# Allegro board BRD_05101_01_rev_b01_aa.brd (continued)
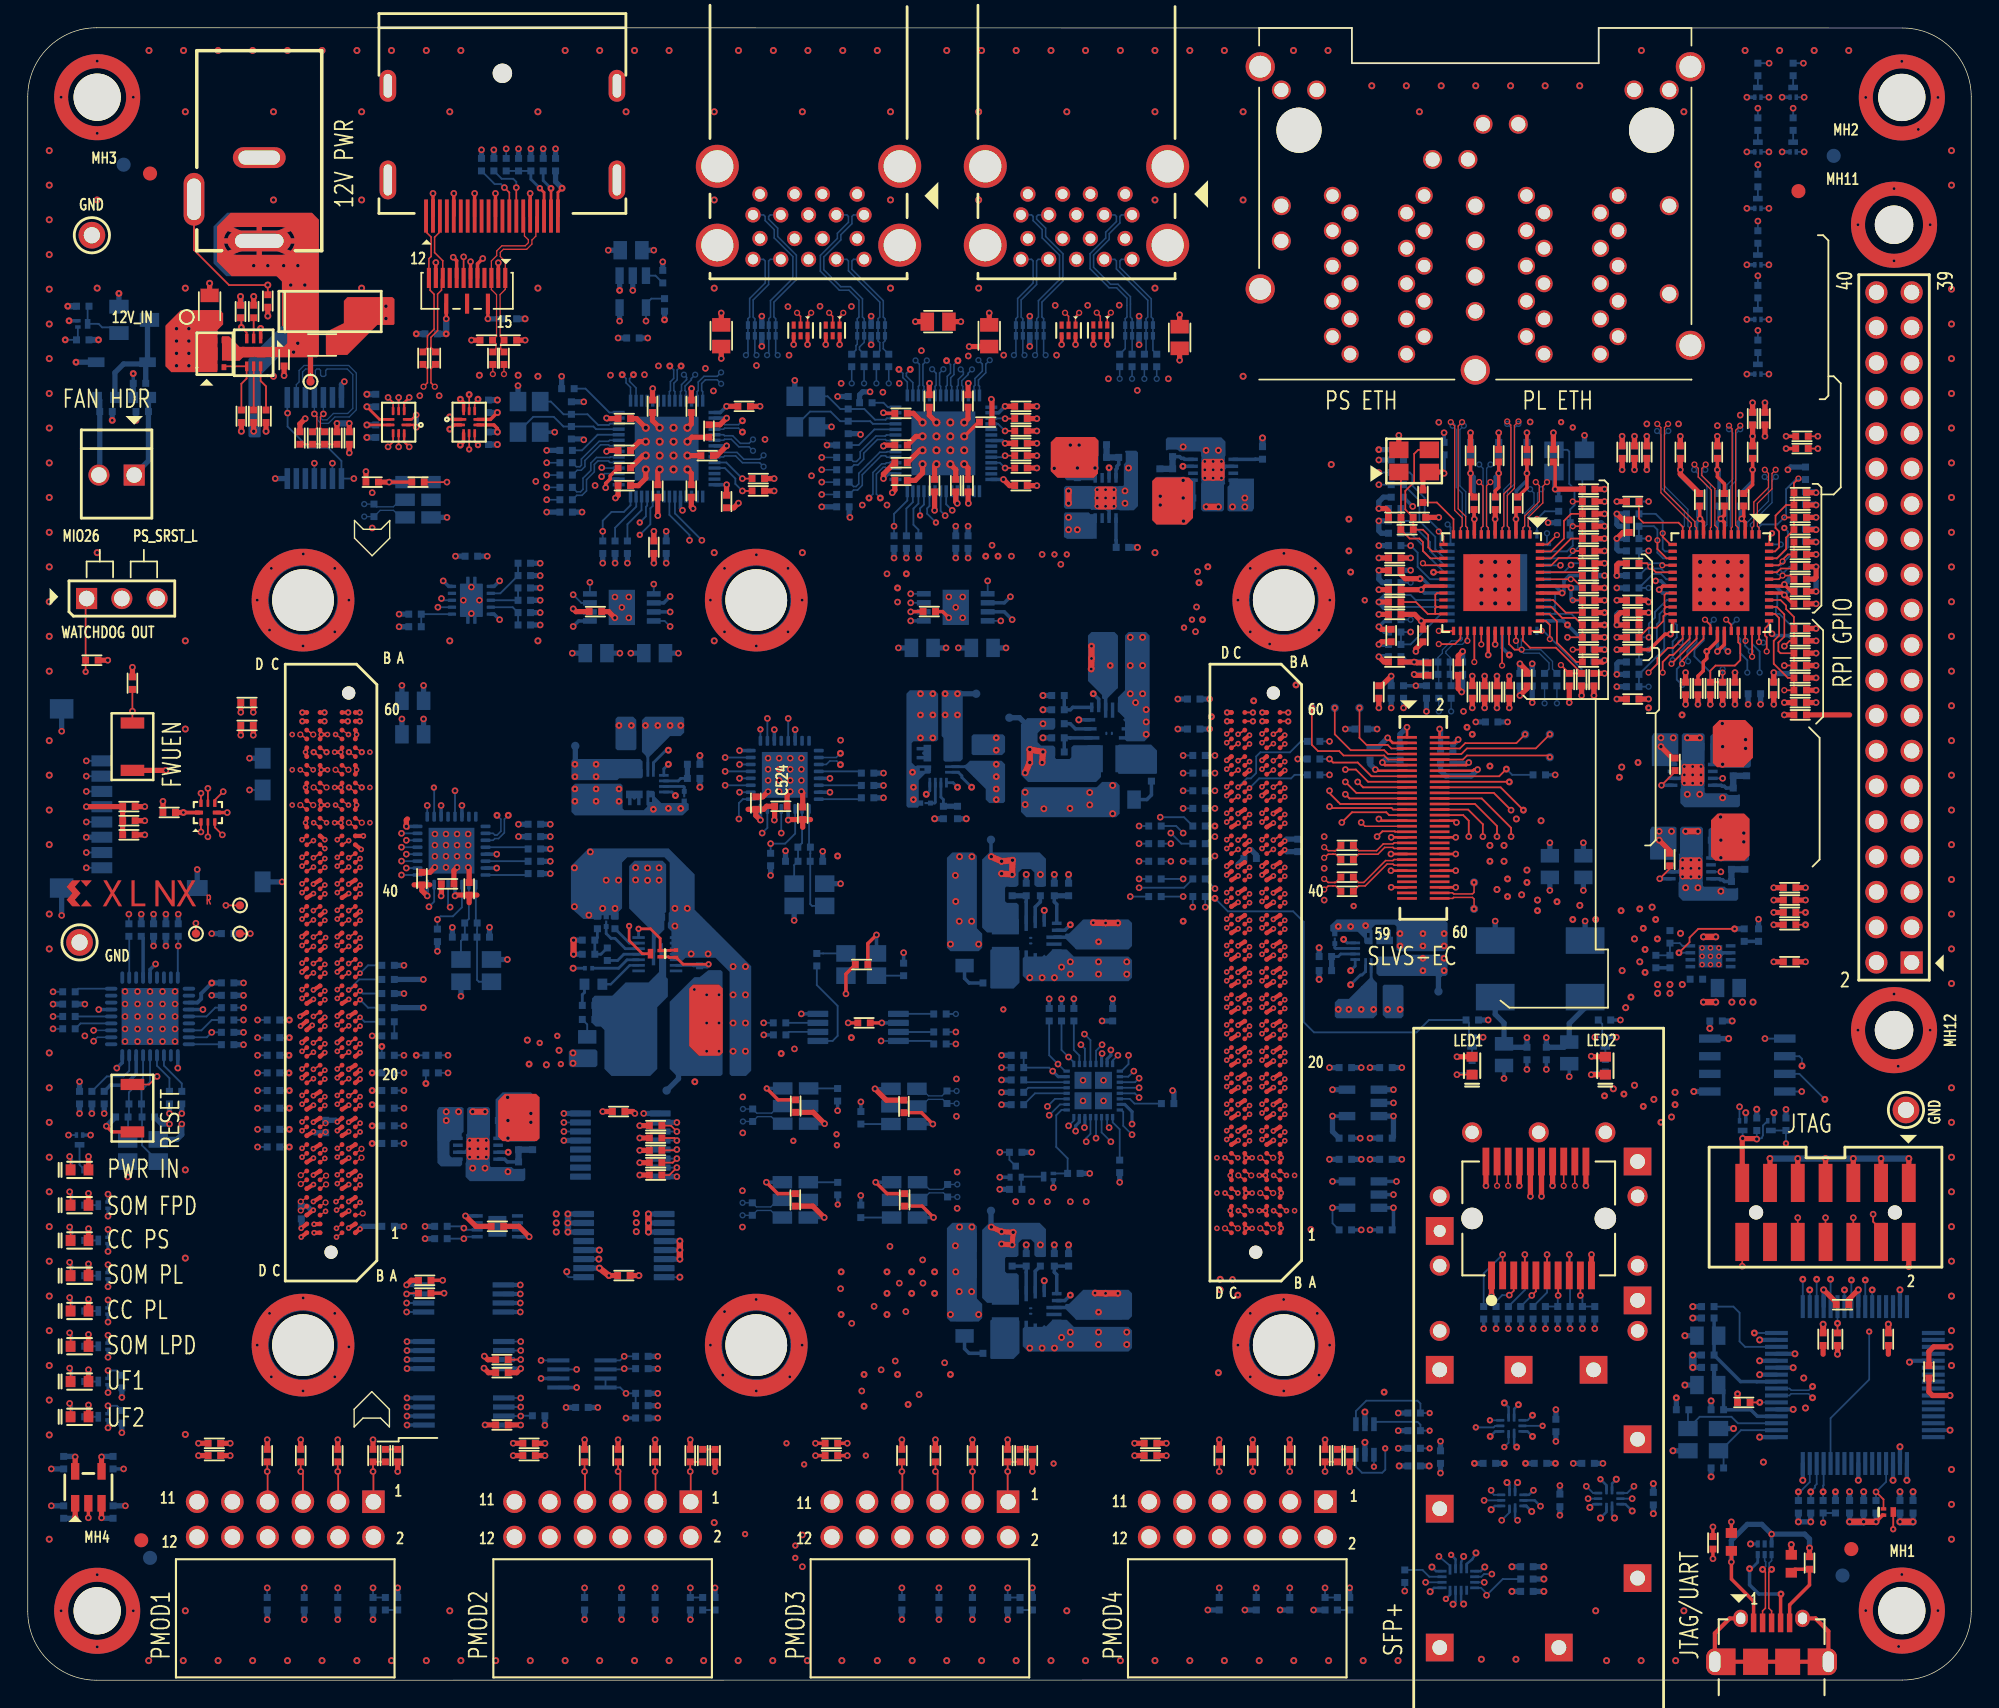
[diagram p0: board, top side]
## Routing (per net, layer and track width the routed paths; a pad name or vN(x,y) marks a point on that pad's centre or on a via; arc(x,y) is an arc through that point) (continued)
  L12_SIG w0.102: v6(58.29,38.53) 57.47,37.7 57.47,34.3 53.76,30.59 49.94,30.59 46.97,33.56 46.97,34.18 44.72,36.42 44.72,37.35 44.33,37.73 43.63,37.73 41.2,40.16 v5(38.62,40.16) 39.66,39.12 39.66,37.85 41.92,35.6 44.65,35.6 46.28,33.97 46.28,29.72 v7(46.97,29.03) 45,27.05 38.17,27.05 v5(35.51,24.39) 41.9,24.39 v5(42.97,23.33)
  BOTTOM w0.127: U16.5 42.67,23.03 v5(42.97,23.33) R56.2 ; U15.5 v5(35.51,24.39) ; U18.15 v5(38.62,40.16)
  BOTTOM w0.132: U14.8 v7(46.97,29.03)
  BOTTOM w0.229: v5(79.55,40.05) 79.55,40.94 79.02,41.46 U19.7
JTAG_TCK_C2M: length 218.3
  TOP w0.132: JA1.A25 v1(23.94,47.74) ; J3.6 v5(131.51,33.3)
  L05_SIG w0.102: v5(131.51,33.3) 130.52,34.29 127.52,34.29 126.5,33.27 126.5,30.73 121.67,25.91 121.67,22.35 119.01,19.69 119.01,12.95 117.1,11.05 107.96,11.05 105.55,8.64 104.02,8.64 100.98,5.59 99.45,5.59 97.32,3.46 59.54,3.46 54.11,8.89 54.11,14.94 47.39,21.67 47.39,25.72 45.84,27.27 40.01,27.27 35.68,31.59 35.68,42.26 33.7,44.24 33.7,45.65 30.28,49.07 29.25,49.07 29.12,48.94 25.14,48.94 v1(23.94,47.74)
  L12_SIG w0.102: v5(99.2,6.42) 99.85,5.76 101.14,5.76 103.01,7.63 103.01,9.53 103.81,10.33 103.81,14.52 103.17,15.16 103.17,18.72 105.2,20.75 109.14,20.75 111.87,23.48 116.57,23.48 117.9,24.81 117.9,27.48 121.97,31.54 126.67,31.54 129.21,34.08 130.73,34.08 v5(131.51,33.3)
  BOTTOM w0.132: R264.1 24.26,47.42 v1(23.94,47.74) ; R66.2 v5(99.2,6.42)
JTAG_TDI_C2M: length 205.6
  TOP w0.132: JA1.A24 v1(23.94,47.1) ; J3.10 v5(127.51,33.3)
  L05_SIG w0.102: v5(127.51,33.3) 127.51,30.98 122.18,25.65 122.18,22.1 119.52,19.43 119.52,12.7 117.36,10.54 114.31,10.54 108.81,5.05 99.67,5.05 97.57,2.95 59.29,2.95 53.6,8.64 53.6,14.59 46.66,21.54 46.66,25.59 45.59,26.66 39.76,26.66 35.07,31.34 35.07,42.11 32.88,44.31 32.88,45.58 30.53,47.93 24.76,47.93 v1(23.94,47.1)
  L12_SIG w0.102: v5(100.7,7.05) 99.61,8.13 99.61,15.16 100.5,16.05 101.9,16.05 102.54,16.69 102.54,18.98 104.94,21.38 108.88,21.38 111.61,24.11 116.31,24.11 117.52,25.32 117.52,27.99 121.71,32.18 126.38,32.18 v5(127.51,33.3)
  BOTTOM w0.132: U22.14 v5(100.7,7.05)
JTAG_TDO_M2C: length 197.9
  TOP w0.132: J3.8 v5(129.51,33.3) ; JA1.A23 v1(23.12,45.9)
  L05_SIG w0.102: v1(23.12,45.9) 23.49,46.27 23.67,46.27 24.81,47.42 30.02,47.42 32.18,45.26 32.18,43.23 34.08,41.32 34.08,31.44 39.5,26.02 42.78,26.02 44.5,24.3 44.5,18.72 44.75,18.46 48.69,18.46 53.09,14.06 53.09,8.43 59.08,2.44 97.78,2.44 99.92,4.58 109.02,4.58 114.48,10.03 117.61,10.03 120.02,12.45 120.02,17.74 122.06,19.77 122.06,21.21 122.69,21.84 122.69,25.4 129.51,32.22 v5(129.51,33.3)
  L12_SIG w0.102: v5(104.91,12.95) 104.91,14.99 105.96,16.05 107.62,16.05 112.57,21 114.98,21 118.41,24.43 118.41,26.97 122.22,30.78 126.98,30.78 v5(129.51,33.3)
  BOTTOM w0.132: U25.4 v5(104.91,12.95)
JTAG_TMS_C2M: length 202
  TOP w0.132: J3.4 133.51,32.45 132.93,33.02 v5(132.93,33.56) ; JA1.A22 v1(23.94,45.83)
  L05_SIG w0.102: v5(132.93,33.56) 131.63,32.26 130.31,32.26 123.2,25.15 123.2,21.59 122.56,20.96 122.56,19.56 120.53,17.53 120.53,12.19 117.86,9.53 114.69,9.53 109.23,4.07 100.13,4.07 98.01,1.95 58.85,1.95 52.59,8.22 52.59,13.8 48.56,17.83 44.49,17.83 43.86,18.45 43.86,23.67 42.14,25.39 39.23,25.39 33.45,31.18 33.45,41.19 31.67,42.97 31.67,45.13 29.89,46.91 24.72,46.91 23.94,46.13 v1(23.94,45.83)
  L12_SIG w0.102: v5(105.42,13.68) 105.42,14.4 105.92,14.91 107.87,14.91 109.52,16.56 110.16,16.56 114.03,20.43 115.17,20.43 118.92,24.18 118.92,26.59 122.6,30.27 129.65,30.27 v5(132.93,33.56)
  BOTTOM w0.132: U25.5 105.62,13.35 105.42,13.55 v5(105.42,13.68)
JTAG_VCCO_ON: length 48.8
  L12_SIG w0.102: v2(129.87,28.88) 129.87,19.63 124.13,13.89 118.66,13.89 117.65,14.91 115.24,14.91 114.85,14.52 114.85,11.1 109.52,5.76 105.45,5.76 v5(105.09,6.12)
  BOTTOM w0.132: R241.1 106.25,7.29 v5(105.09,6.12) 105.09,6.26 104.69,6.65 U22.8 ; U24.21 v2(129.87,28.88)
LS_OE_B: length 47.2
  L05_SIG w0.102: v6(126.66,38.65) 126.66,37.75 121.74,32.83 121.74,29.78 118.03,26.07 118.03,24.04 114.09,20.11 114.09,17.32 111.55,14.78 108.76,14.78 106.18,12.2 v5(106.18,11.52) 104.26,11.52 v5(101.66,8.91)
  BOTTOM w0.132: Q12.3 R233.2 v6(126.66,38.65) ; v5(106.18,11.52) 106.74,12.08 U25.2 ; U22.1 102.46,8.24 v5(101.66,8.91)
MIO24_I2C_SCK: length 47.8
  TOP w0.132: JA1.C26 v1(20.58,47.8)
  L12_SIG w0.102: v1(20.58,47.8) 20.11,47.34 20.11,46.78 20.6,46.29 20.86,46.29 21,46.15 21,45 21.6,44.4 25.85,44.4 26.89,45.45 31.65,45.45 33.57,43.52 33.57,21.85 34.15,21.28 37.92,21.28 39.02,22.38 v5(39.54,22.38)
  BOTTOM w0.127: U16.3 v5(39.54,22.38)
MIO25_I2C_SDA: length 44.9
  TOP w0.132: JA1.C27 v1(21.4,49.01)
  L12_SIG w0.102: v5(36.98,23.03) 35.88,21.94 34.32,21.94 34.08,22.18 34.08,43.73 31.83,45.99 26.58,45.99 25.42,44.83 22.07,44.83 21.89,45 21.89,46.02 21,46.91 21,48.61 v1(21.4,49.01)
  BOTTOM w0.127: U16.4 v5(36.98,23.03)
MIO26: length 38.8
  TOP w0.127: R45.2 v6(4.17,72.62)
  TOP w0.132: R45.2 4.17,77.83 J1.1 ; JA1.D28 v1(19.76,49.1)
  L05_SIG w0.102: v6(4.17,72.62) 4.99,71.8 8.94,71.8 15.54,65.2 15.54,63.55 16.3,62.78 16.3,55.97 17.19,55.08 17.19,50.34 18.43,49.1 v1(19.76,49.1)
MIO27: length 56.3
  TOP w0.132: U28.8 32.2,92.01 v2(32.43,92.25) ; JA1.D29 v1(19.76,49.73)
  L05_SIG w0.102: v2(32.43,92.25) 32.43,92.88 32.05,93.26 31.29,93.26 29.89,91.87 27.35,91.87 24.81,89.33 24.81,86.87 23.67,85.72 23.67,76.37 16.81,69.52 16.81,56.18 17.7,55.29 17.7,50.47 18.43,49.73 v1(19.76,49.73)
MIO28: length 48.2
  TOP w0.132: JA1.D30 v1(20.58,50.94) ; U30.9 v5(26.72,88.82)
  L05_SIG w0.102: v5(26.72,88.82) 26.72,89.23 26.36,89.58 25.7,89.58 25.19,89.07 25.19,86.53 24.3,85.64 24.3,76.37 17.32,69.39 17.32,61.39 17.83,60.88 17.83,57.07 18.34,56.56 18.34,51.1 18.97,50.47 20.11,50.47 v1(20.58,50.94)
MIO29: length 45.7
  TOP w0.132: U30.8 26.32,89.18 v5(25.95,88.82) ; JA1.C30 v1(21.4,50.91)
  L05_SIG w0.102: v1(21.4,50.91) 21,51.31 21,51.86 20.75,52.12 19.22,52.12 18.84,52.5 18.84,60.75 17.95,61.64 17.95,69.26 25.07,76.37 25.07,81.58 26.72,83.23 26.72,88.06 v5(25.95,88.82)
MIO30: length 50
  TOP w0.132: U28.9 v2(31.8,92.59) ; JA1.C31 v1(21.4,51.55)
  L05_SIG w0.102: v2(31.8,92.59) 31.8,90.6 29.26,88.06 29.26,84.88 25.7,81.33 25.7,76.25 18.59,69.13 18.59,62.02 19.35,61.26 19.35,52.75 19.73,52.37 21,52.37 21.4,51.97 v1(21.4,51.55)
MIO31: length 7.9
  TOP w0.132: TP37.1 v5(16.03,53.77) ; JA1.C32 v1(20.58,51.61)
  L12_SIG w0.102: v5(16.03,53.77) 17.78,52.01 20.17,52.01 v1(20.58,51.61)
  BOTTOM w0.132: R263.1 v5(16.03,53.77)
MIO32_NC: length 0.4
  TOP w0.132: JA1.A31 v1(23.94,51.55)
MIO33_NC: length 0.6
  TOP w0.132: JA1.A32 v1(23.12,51.61)
MIO34_NC: length 0.4
  TOP w0.132: JA1.B38 v1(22.3,55.45)
MIO35: length 43.6
  TOP w0.132: JA1.B28 v1(22.3,49.1)
  L05_SIG w0.102: v5(29.55,77.27) 32.68,74.14 32.68,57.85 33.97,56.56 33.97,52.9 32.69,51.62 29.01,51.62 28.46,52.17 22.17,52.17 21.89,51.9 21.89,49.51 v1(22.3,49.1)
  BOTTOM w0.132: U13.7 v5(29.55,77.27)
MIO36: length 121.7
  TOP w0.132: JA1.B29 v1(22.3,49.73)
  L03_SIG w0.102: v5(112.4,13.08) 111.77,12.44 111.77,11.18 111.05,10.46 98.73,10.46 96.82,8.56 56.31,8.56 56.05,8.81 v6(55.29,8.81)
  L05_SIG w0.102: v1(22.3,49.73) 22.68,50.11 27.2,50.11 27.86,49.45 29.38,49.45 29.89,49.96 31.29,49.96 34.4,46.85 34.4,44.31 36.88,41.83 36.88,37.51 47.93,26.46 47.93,22.15 54.66,15.42 54.66,9.44 v6(55.29,8.81)
  BOTTOM w0.132: U64.4 v5(112.4,13.08)
MIO37: length 121.9
  TOP w0.132: JA1.B30 v1(23.12,50.94)
  L03_SIG w0.102: v5(112.28,13.97) 111.13,12.82 111.13,11.56 110.63,11.05 98.6,11.05 96.61,9.06 56.69,9.06 56.05,9.7 v6(55.29,9.7)
  L05_SIG w0.102: v6(55.29,9.7) 55.29,15.79 48.56,22.53 48.56,26.72 37.59,37.69 37.59,41.96 35.04,44.5 35.04,47.99 32.57,50.47 29.38,50.47 28.88,49.96 28.11,49.96 27.55,50.52 23.54,50.52 v1(23.12,50.94)
  BOTTOM w0.132: U64.5 112.77,13.48 v5(112.28,13.97)
MIO38: length 121.1
  TOP w0.132: U36.29 v3(104.71,74.6) ; JA1.B32 v1(22.3,51.64)
  L03_SIG w0.102: v1(22.3,51.64) 22.73,51.21 22.73,50.72 22.93,50.52 24.89,50.52 25.19,50.21 27.86,50.21 28.24,49.83 32.18,49.83 32.81,49.2 42.02,49.2 42.22,49.4 42.22,51.91 42.42,52.12 42.75,52.12 42.96,51.91 42.96,49.4 43.16,49.2 43.45,49.2 43.65,49.4 43.65,51.95 43.85,52.16 44.18,52.16 44.39,51.95 44.39,49.44 44.63,49.2 44.92,49.2 45.12,49.4 45.12,51.95 45.33,52.16 45.66,52.16 45.86,51.95 45.86,49.44 46.11,49.2 46.45,49.2 46.66,49.4 46.66,51.9 46.86,52.1 47.21,52.1 47.42,51.9 47.42,51.18 47.62,50.97 54.78,50.97 55.42,51.61 70.4,51.61 74.39,55.6 76.93,55.6 79.68,58.34 80.31,58.34 81.07,59.1 81.07,62.91 82.72,64.56 82.72,65.71 82.98,65.96 84.12,65.96 84.37,66.21 84.37,66.85 84.88,67.36 85.9,67.36 86.41,66.85 94.79,66.85 94.92,66.72 101.39,66.72 102.92,68.25 102.92,69.95 104.49,71.53 104.49,72.74 104.71,72.96 v3(104.71,74.6)
MIO39: length 117.8
  TOP w0.132: U36.28 v3(104.21,73.33) ; JA1.B33 v1(23.12,52.84)
  L03_SIG w0.102: v1(23.12,52.84) 23.59,52.37 28.24,52.37 29.51,51.1 31.3,51.1 31.48,51.28 31.48,51.68 31.66,51.86 31.91,51.86 32.09,51.68 32.09,51.28 32.27,51.1 33.32,51.1 33.7,50.72 39.42,50.72 42.21,53.51 44.52,53.51 44.7,53.69 44.7,54.22 44.88,54.4 45.13,54.4 45.31,54.22 45.31,53.69 45.49,53.51 51.35,53.51 51.61,53.26 60.2,53.26 60.4,53.46 60.4,56.59 60.61,56.79 60.94,56.79 61.14,56.59 61.14,54.3 61.34,54.1 61.67,54.1 61.88,54.3 61.88,56.59 62.08,56.79 62.41,56.79 62.61,56.59 62.61,54.63 62.82,54.43 63.15,54.43 63.35,54.63 63.35,56.61 63.56,56.82 75.87,56.82 78.91,59.86 78.91,63.8 86.15,71.04 88.44,71.04 89.45,70.02 90.22,70.02 91.23,71.04 93.9,71.04 95.68,69.26 101.52,69.26 101.77,69.52 101.77,73.96 103.17,75.36 104,75.36 104.21,75.15 v3(104.21,73.33)
MIO40: length 119
  TOP w0.132: JA1.B34 v1(22.3,52.91) ; U36.27 v3(103.71,74.85)
  L03_SIG w0.102: v3(103.71,74.85) 103.42,74.85 102.28,73.71 102.28,68.37 101.27,67.36 95.18,67.36 93.91,68.63 86.03,68.63 85.2,67.8 83.68,67.8 82.09,66.21 82.09,65.07 79.55,62.53 79.55,59.6 76.13,56.18 71.46,56.18 71.26,55.98 71.26,53.34 71.06,53.13 70.73,53.13 70.52,53.34 70.52,55.98 70.32,56.18 69.99,56.18 69.79,55.98 69.79,53.34 69.58,53.13 69.25,53.13 69.05,53.34 69.05,55.98 68.85,56.18 67.86,56.18 67.1,55.42 65.83,55.42 65.71,55.29 65.71,53.16 65.5,52.95 65.02,52.95 64.77,53.21 64.77,56.1 64.56,56.31 64.23,56.31 64.03,56.1 64.03,54.25 62.4,52.62 51.1,52.62 50.72,53.01 42.46,53.01 39.42,49.96 33.19,49.96 32.74,50.41 29.31,50.41 28.75,50.97 25.45,50.97 24.43,51.99 23.22,51.99 v1(22.3,52.91)
MIO41: length 118.9
  TOP w0.132: U36.26 103.21,75.01 102.81,74.62 v3(101.65,74.62) ; JA1.A34 v1(23.94,53.45)
  L03_SIG w0.102: v1(23.94,53.45) 27.92,53.45 29.38,51.99 30.4,51.99 30.78,52.37 35.61,52.37 36.15,51.83 39.54,51.83 41.91,54.19 42.55,54.19 43.26,54.91 46.78,54.91 47.54,54.15 50.73,54.15 50.93,54.35 50.93,55.72 51.13,55.93 51.46,55.93 51.66,55.72 51.66,54.35 51.87,54.15 52.2,54.15 52.4,54.35 52.4,55.72 52.6,55.93 52.93,55.93 53.14,55.72 53.14,54.35 53.34,54.15 53.67,54.15 53.87,54.35 53.87,55.72 54.08,55.93 54.41,55.93 54.61,55.72 54.61,54.35 54.81,54.15 56.71,54.15 56.91,54.35 56.91,56.61 57.12,56.82 57.45,56.82 57.65,56.61 57.65,54.35 57.85,54.15 58.18,54.15 58.39,54.35 58.39,56.61 58.59,56.82 58.92,56.82 59.12,56.61 59.12,54.35 59.33,54.15 59.66,54.15 59.86,54.35 59.86,57.2 60.12,57.45 75.61,57.45 77.64,59.48 77.64,64.69 78.91,65.96 80.31,65.96 81.71,67.36 81.71,68.63 82.66,69.58 83.42,69.58 86.03,72.18 94.53,72.18 96.06,70.66 100.63,70.66 101.14,71.17 101.14,74.11 v3(101.65,74.62)
MIO42: length 118.2
  TOP w0.132: JA1.A35 v1(23.12,53.52) ; U36.25 v3(101.65,75.57)
  L03_SIG w0.102: v3(101.65,75.57) 100.63,74.55 100.63,71.55 100.25,71.17 96.3,71.17 94.78,72.69 85.77,72.69 83.23,70.15 82.34,70.15 81.2,69.01 81.2,67.74 80.19,66.72 78.66,66.72 77.14,65.2 77.14,61.01 76.37,60.24 75.58,60.24 75.38,60.04 75.38,58.8 75.17,58.59 74.84,58.59 74.64,58.8 74.64,60.04 74.44,60.24 74.11,60.24 73.9,60.04 73.9,58.8 73.7,58.59 73.37,58.59 73.17,58.8 73.17,60.04 72.96,60.24 72.63,60.24 72.43,60.04 72.43,58.8 72.23,58.59 71.9,58.59 71.69,58.8 71.69,60.04 71.49,60.24 65.78,60.24 65.58,60.04 65.58,58.29 65.37,58.09 65.04,58.09 64.84,58.29 64.84,60.04 64.64,60.24 64.31,60.24 64.1,60.04 64.1,58.7 63.87,58.47 63.59,58.47 63.37,58.7 63.37,60.04 63.16,60.24 62.83,60.24 62.63,60.04 62.63,58.7 62.4,58.47 62.12,58.47 61.89,58.7 61.89,59.63 61.66,59.86 61.38,59.86 61.16,59.63 61.16,58.29 60.95,58.09 60.88,58.09 56.56,58.09 54.91,56.43 50.3,56.43 50.1,56.23 50.1,54.83 49.89,54.62 49.56,54.62 49.36,54.83 49.36,56.23 49.16,56.43 43.86,56.43 42.34,54.91 41.07,54.91 40.31,54.15 39.48,54.15 38.34,53.01 29.71,53.01 28.69,54.02 23.62,54.02 v1(23.12,53.52)
MIO43: length 120.2
  TOP w0.132: U36.37 109.35,76.29 109.65,75.99 v3(109.65,74.98) ; JA1.A36 v1(23.94,54.72)
  L03_SIG w0.102: v3(109.65,74.98) 109.65,76.17 109.31,76.5 102.54,76.5 102.15,76.88 99.87,76.88 98.47,75.48 98.47,74.21 97.46,73.2 96.69,73.2 96.19,73.71 84.07,73.71 83.84,73.48 83.84,72.51 83.64,72.31 83.31,72.31 83.11,72.51 83.11,73.54 82.9,73.74 82.57,73.74 82.37,73.54 82.37,72.51 82.17,72.31 81.84,72.31 81.63,72.51 81.63,73.54 81.43,73.74 81.1,73.74 80.9,73.54 80.9,72.51 80.69,72.31 78.15,72.31 77.26,71.42 77.26,67.74 74.34,64.82 74.34,61.64 74.09,61.39 64.18,61.39 63.17,62.4 60.5,62.4 59.48,61.39 57.83,61.39 54.91,58.47 53.39,58.47 52.62,57.7 51.03,57.7 50.82,57.91 50.82,59.75 50.62,59.95 50.29,59.95 50.09,59.75 50.09,57.91 49.88,57.7 49.55,57.7 49.35,57.91 49.35,59.66 49.15,59.86 42.49,59.86 37.64,55.01 37.64,54.35 37.44,54.15 37.11,54.15 36.9,54.35 36.9,55.01 36.7,55.22 36.37,55.22 36.17,55.01 36.17,54.35 35.96,54.15 35.63,54.15 35.43,54.35 35.43,55.01 35.23,55.22 24.43,55.22 v1(23.94,54.72)
MIO44: length 121.5
  TOP w0.132: U36.32 v3(106.21,73.07) ; JA1.D32 v1(19.76,51.64)
  L03_SIG w0.102: v1(19.76,51.64) 20.49,52.37 20.75,52.37 21,52.62 21,53.89 21.38,54.28 24.05,54.28 24.3,54.53 29,54.53 29.89,53.64 38.08,53.64 41.51,57.07 46.1,57.07 46.3,57.27 46.3,59.03 46.51,59.23 46.84,59.23 47.04,59.03 47.04,57.27 47.24,57.07 47.57,57.07 47.78,57.27 47.78,59.03 47.98,59.23 48.31,59.23 48.51,59.03 48.51,57.27 48.72,57.07 54.66,57.07 56.31,58.72 58.82,58.72 59.02,58.92 59.02,60.68 59.22,60.88 59.55,60.88 59.76,60.68 59.76,58.92 59.96,58.72 60.3,58.72 60.5,58.92 60.5,60.6 61.03,61.13 63.55,61.13 63.88,60.8 75.79,60.8 75.99,61.01 75.99,65.03 77.9,66.94 77.9,71.17 78.51,71.78 84.1,71.78 85.52,73.2 95.55,73.2 96.31,72.44 97.58,72.44 101.14,75.99 105.2,75.99 106.21,74.99 v3(106.21,73.07)
MIO45: length 118.1
  TOP w0.132: v3(107.62,74.21) 107.11,74.21 106.71,74.62 U36.33 ; JA1.D33 v1(20.58,52.84)
  L03_SIG w0.102: v1(20.58,52.84) 20.11,52.37 19.6,52.37 19.35,52.12 19.35,50.72 20.16,49.91 20.16,48.89 20.44,48.62 24.76,48.62 25.45,47.93 47.54,47.93 48.18,48.56 54.53,48.56 56.05,50.08 71.17,50.08 71.67,49.58 75.54,49.58 75.99,50.03 75.99,52.24 76.25,52.5 78.02,52.5 82.6,57.07 83.74,57.07 84.12,57.45 84.12,63.42 85.43,64.73 91.02,64.73 91.18,64.56 94.28,64.56 94.61,64.23 98.42,64.23 99.11,63.55 100.12,63.55 100.38,63.8 100.38,64.18 100.63,64.44 101.39,64.44 101.65,64.18 101.65,63.67 101.77,63.55 102.54,63.55 102.79,63.8 102.79,65.71 103.68,66.59 104.82,66.59 107.23,69.01 107.23,70.02 107.95,70.73 107.95,73.88 v3(107.62,74.21)
MIO46: length 115.8
  TOP w0.132: U36.34 v3(107.21,74.85) ; JA1.D34 v1(19.76,52.91)
  L03_SIG w0.102: v1(19.76,52.91) 19.38,52.91 18.79,52.32 18.79,49.37 19.91,48.25 24.36,48.25 25.19,47.42 48.05,47.42 48.56,47.93 54.91,47.93 55.72,48.74 71.12,48.74 71.34,48.51 75.69,48.51 78.53,51.35 78.53,51.74 82.34,55.55 83.1,55.55 84.76,57.2 84.76,61.77 85.2,62.21 85.58,62.21 86.41,63.04 90.98,63.04 91.36,63.42 94.41,63.42 94.66,63.17 98.73,63.17 98.98,62.91 103.29,62.91 105.8,65.42 105.8,66.61 108.38,69.19 108.38,69.52 108.89,70.02 108.89,73.68 107.72,74.85 v3(107.21,74.85)
MIO47: length 122.3
  TOP w0.132: JA1.C34 21.44,53.48 v1(21.46,53.48) ; v3(110.44,73.11) R122.1 R110.2 110.09,74.35 108.22,74.35 107.71,74.87 U36.35
  L03_SIG w0.102: v3(110.44,73.11) 110.22,73.11 107.84,75.48 107.11,75.48 106.73,75.1 106.73,74.47 107.18,74.01 107.18,73.66 106.98,73.45 106.98,72.82 107.23,72.56 107.23,72.06 105.41,70.23 105.41,68.58 104.31,67.48 103.55,67.48 102.09,66.02 99.42,66.02 98.34,64.94 96.57,64.94 95.3,66.21 94.53,66.21 94.03,65.71 93.26,65.71 92.63,65.07 86.31,65.07 85.98,65.41 85.98,65.63 85.77,65.83 85.14,65.83 84.37,65.07 84.37,64.56 83.1,63.29 82.67,63.29 82.22,62.84 82.22,61.51 81.83,61.13 81.83,57.2 79.68,55.04 74.85,55.04 70.68,50.87 55.83,50.87 55.29,50.34 47.8,50.34 47.42,49.96 47.42,48.94 47.04,48.56 30.4,48.56 29.89,49.07 28.24,49.07 27.86,48.69 25.83,48.69 24.4,50.11 22.62,50.11 21.89,50.85 21.89,52.96 21.46,53.39 v1(21.46,53.48)
MIO48: length 122.7
  TOP w0.132: JA1.C35 v1(20.58,53.52) ; v3(109.06,75.57) U36.36
  L03_SIG w0.102: v3(109.06,75.57) 109.06,74.96 109.8,74.21 110.35,74.21 111.12,73.44 111.12,72.73 109.65,71.25 109.65,69.86 109.01,69.22 109.01,68.5 107.43,66.91 107.43,65.77 106.79,65.14 106.46,65.14 103.6,62.28 98.85,62.28 98.47,62.66 94.53,62.66 94.03,62.15 91.87,62.15 90.99,61.27 86.54,61.27 85.98,60.7 85.98,56.13 80.18,50.34 78.66,50.34 76.17,47.85 56.28,47.85 55.34,46.91 24.56,46.91 24.3,46.66 19.1,46.66 18.21,47.54 18.21,52.62 19.61,54.03 20.07,54.03 v1(20.58,53.52)
MIO49: length 114
  TOP w0.132: JA1.C36 v1(21.4,54.72) ; v3(111.3,74.21) R121.1 R109.2 111.55,73.33 110.16,74.72 110.16,76.25 109.61,76.79 U36.38
  L03_SIG w0.102: v1(21.4,54.72) 21.89,55.21 21.89,55.67 22.14,55.93 24.81,55.93 25.04,55.7 27.3,55.7 28.55,56.94 38.53,56.94 42.08,60.5 51.35,60.5 52.75,59.1 54.67,59.1 57.59,62.02 59.1,62.02 59.99,62.91 69.9,62.91 71.55,64.56 72.69,64.56 76.63,68.5 76.63,70.28 76.18,70.72 76.18,71.61 77.26,72.69 77.26,73.2 78.28,74.21 95.68,74.21 96.82,75.36 97.58,75.36 99.61,77.39 102.54,77.39 102.92,77.01 110.79,77.01 111.68,76.12 111.68,74.6 v3(111.3,74.21)
MIO50: length 115.3
  TOP w0.132: JA1.B36 v1(23.12,54.75) ; v3(100.5,80.44) 100.65,80.29 U36.16
  L03_SIG w0.102: v5(110.41,80.29) 107.6,80.29 107.36,80.06 103.93,80.06 103.17,79.29 101.14,79.29 100.63,79.8 100.63,80.31 v3(100.5,80.44) 100.5,81.58 99.74,82.34 85.82,82.34 82.65,79.17 72.3,79.17 71.79,79.68 63.29,79.68 v2(63.29,79.68)
  L10_SIG w0.102: v1(23.12,54.75) 23.59,54.28 24.43,54.28 25.15,53.56 27.09,53.56 29.18,51.47 35.66,51.47 38.59,54.4 41.83,54.4 43.48,56.05 52.24,56.05 60,63.81 60,77.01 62.66,79.68 v2(63.29,79.68)
  BOTTOM w0.132: U81.16 v5(110.41,80.29)
MIO51: length 119.7
  TOP w0.132: JA1.B37 v1(22.3,54.81) ; U36.17 v2(101.27,79.79)
  L03_SIG w0.102: v5(111.17,80.31) 110.28,81.2 103.93,81.2 102.52,79.79 v2(101.27,79.79) 101.27,81.45 99.74,82.98 85.56,82.98 82.38,79.8 72.56,79.8 72.06,80.31 63.17,80.31 62.66,79.8 v2(62.66,78.66)
  L10_SIG w0.102: v2(62.66,78.66) 60.63,76.63 60.63,63.67 51.99,55.04 43.23,55.04 41.96,53.77 38.78,53.77 35.95,50.94 28.88,50.94 26.79,53.03 24.95,53.03 24.08,53.89 23.22,53.89 v1(22.3,54.81)
  BOTTOM w0.132: R403.2 111.3,80.44 v5(111.17,80.31) 110.65,79.79 U81.17
MIO52: length 27.3
  TOP w0.132: JA1.D36 v1(20.58,54.75)
  L12_SIG w0.102: v5(26.92,57.99) 34.78,57.99 35.11,57.66 35.11,57.26 34.84,57 28,57 27.55,56.55 27.55,55.52 27.19,55.16 24.9,55.16 24.24,55.82 21.34,55.82 21,55.48 21,55.17 v1(20.58,54.75)
  BOTTOM w0.132: U37.1 v5(26.92,57.99)
MIO53: length 20.3
  TOP w0.132: JA1.D37 v1(19.76,54.81)
  L12_SIG w0.102: v5(28.9,55.7) 28.9,54.93 28.72,54.76 28.68,54.76 28.5,54.58 28.5,54.33 28.68,54.15 28.72,54.15 28.9,53.97 28.9,52.93 28.24,52.27 27.46,52.27 27.28,52.44 27.28,54.24 27.11,54.42 26.85,54.42 26.67,54.24 26.67,52.44 26.5,52.27 26.18,52.27 25.89,52.55 25.89,53.61 25.23,54.28 20.3,54.28 v1(19.76,54.81)
  BOTTOM w0.132: v5(28.9,55.7) 29.28,56.07 U37.31
MIO54: length 21.5
  TOP w0.132: JA1.D38 v1(19.76,55.45)
  L05_SIG w0.102: v5(26.92,59.99) 26.24,59.3 26.24,59.07 26.06,58.9 25.95,58.9 25.78,58.72 25.78,58.47 25.96,58.29 26.06,58.29 26.24,58.11 26.24,57.76 26.82,57.18 27.27,57.18 27.77,56.68 27.77,56.32 27.59,56.14 27.03,56.14 26.85,55.96 26.85,55.71 27.03,55.53 27.59,55.53 27.77,55.35 27.77,54.96 27.52,54.71 26.59,54.71 26.29,55.01 26.29,56.68 25.32,57.65 23.75,57.65 23.54,57.45 23.54,56.5 23.22,56.18 20.49,56.18 v1(19.76,55.45)
  BOTTOM w0.132: U37.5 v5(26.92,59.99)
MIO55: length 22.4
  TOP w0.132: JA1.C38 v1(20.58,55.42)
  L12_SIG w0.102: v1(20.58,55.42) 20.53,55.46 20.29,55.46 20.19,55.57 20.19,56.08 20.29,56.18 24.59,56.18 25.01,55.76 25.15,55.76 25.26,55.87 25.26,56.67 25.08,56.85 24.59,56.85 24.42,57.03 24.42,57.28 24.59,57.46 25.08,57.46 25.26,57.64 25.26,59.44 25.45,59.63 25.7,59.63 25.86,59.46 25.86,57.24 26.04,57.06 26.3,57.06 26.48,56.88 26.48,56.63 26.3,56.45 26.04,56.45 25.86,56.27 25.86,55.87 26.02,55.71 26.69,55.71 27.02,56.04 27.02,57.07 26.4,57.7 26.4,58.15 26.74,58.49 v5(27.27,58.49)
  BOTTOM w0.132: U37.2 v5(27.27,58.49)
MIO56: length 22.2
  TOP w0.132: JA1.C39 v1(21.4,56.63)
  L12_SIG w0.102: v1(21.4,56.63) 21.89,57.12 21.89,57.58 22.34,58.02 24.3,58.02 24.51,58.24 24.51,60.5 24.76,60.75 25.16,60.75 26.97,62.56 30.3,62.56 30.48,62.38 30.48,62.11 30.28,61.92 26.96,61.92 26.39,61.35 26.39,59.19 26.6,58.99 v5(26.92,58.99)
  BOTTOM w0.132: U37.3 v5(26.92,58.99)
MIO57: length 23.4
  TOP w0.132: JA1.C40 v1(21.4,57.26)
  L12_SIG w0.102: v1(21.4,57.26) 21.4,57.72 21.84,58.16 21.84,59.53 22.19,59.88 22.45,59.88 22.71,60.13 22.71,60.75 23.15,61.19 24.96,61.19 27.25,63.48 31.9,63.48 32.11,63.27 32.11,61.65 31.91,61.45 29.24,61.45 v5(27.27,59.49)
  BOTTOM w0.132: U37.4 v5(27.27,59.49)
MIO58: length 17.1
  TOP w0.132: JA1.B40 v1(22.3,56.72)
  L10_SIG w0.102: v5(30.43,55.67) 29.97,55.22 28.05,55.22 27.87,55.39 27.87,55.82 27.7,56 27.44,56 27.26,55.82 27.26,55.39 27.09,55.22 26.83,55.22 26.65,55.39 26.65,55.82 26.48,56 26.22,56 26.04,55.82 26.04,55.39 25.87,55.22 25.43,55.22 25.24,55.41 25.24,55.66 25.43,55.85 25.43,56.11 25.25,56.28 24.99,56.28 24.8,56.1 24.55,56.1 24.39,56.26 23.76,56.26 23.53,56.48 23.53,57.63 23.16,58 22.14,58 21.86,57.71 21.86,57.16 v1(22.3,56.72)
  BOTTOM w0.132: 30.28,57.29 30.28,55.82 v5(30.43,55.67)
MIO59: length 21
  TOP w0.132: JA1.B41 v1(22.3,57.35)
  L05_SIG w0.102: v1(22.3,57.35) 23.03,58.09 24.09,58.09 24.8,58.79 24.8,60.53 25.55,61.28 25.55,66 25.89,66.34 26.41,66.34 26.69,66.07 26.69,65.43 26.51,65.25 26.21,65.25 26.02,65.06 26.02,64.81 26.19,64.64 26.51,64.64 26.69,64.46 26.69,62.65 26.18,62.13 26.18,60.62 26.3,60.49 v5(27.27,60.49)
  BOTTOM w0.132: U37.6 v5(27.27,60.49)
MIO60: length 24.8
  TOP w0.132: JA1.B42 v1(23.12,58.56)
  L05_SIG w0.102: v5(26.92,60.99) 26.82,60.99 26.6,61.21 26.6,61.82 27.18,62.41 27.18,68.16 26.84,68.5 25.37,68.5 25.18,68.3 25.18,67.81 25.37,67.62 26.25,67.62 26.43,67.44 26.43,67.19 26.25,67.01 25.36,67.01 25.06,66.71 25.06,61.41 24.87,61.22 23.87,61.22 23.54,60.89 23.54,58.98 v1(23.12,58.56)
  BOTTOM w0.132: U37.7 v5(26.92,60.99)
MIO61: length 25.5
  TOP w0.132: JA1.A38 v1(23.12,55.42)
  L05_SIG w0.102: v1(23.12,55.42) 23.49,55.8 24.46,55.8 24.75,55.51 24.75,53.41 24.98,53.17 31.68,53.17 32.39,53.89 32.39,57.04 31.7,57.73 29.21,57.73 28.78,58.17 v5(28.78,62.99)
  BOTTOM w0.132: U37.9 v5(28.78,62.99)
MIO62: length 27
  TOP w0.132: JA1.A39 v1(23.94,56.63)
  L05_SIG w0.102: v1(23.94,56.63) 24.75,56.63 25.36,56.02 25.36,53.94 25.61,53.69 28.88,53.69 29.06,53.86 29.06,54.11 29.24,54.29 29.49,54.29 29.67,54.11 29.67,53.86 29.85,53.69 31.23,53.69 31.67,54.13 31.67,56.5 31,57.17 28.71,57.17 28.24,57.64 28.24,63.29 29.23,64.28 v6(29.26,64.28)
  BOTTOM w0.132: v6(29.26,64.28) 29.28,64.26 U37.10
MIO63: length 23.7
  TOP w0.132: JA1.A40 v1(23.94,57.26)
  L05_SIG w0.102: v5(30.78,64.05) 30.78,64.76 29.94,65.6 28.63,65.6 27.73,64.7 27.73,57.35 28.21,56.88 28.21,54.66 27.78,54.24 26.23,54.24 25.86,54.6 25.86,56.34 24.94,57.26 v1(23.94,57.26)
  BOTTOM w0.132: U37.13 v5(30.78,64.05)
MIO64: length 46.9
  TOP w0.132: JA1.D40 v1(19.76,56.72)
  L10_SIG w0.102: v1(19.76,56.72) 20.65,55.82 24.15,55.82 25.61,54.36 29.98,54.36 30.3,54.69 31.16,54.69 31.69,55.22 31.69,55.79 31.87,55.97 32.12,55.97 32.3,55.79 32.3,55.22 32.48,55.04 32.73,55.04 32.91,55.22 32.91,55.79 33.09,55.97 33.34,55.97 33.52,55.79 33.52,55.22 33.7,55.04 33.95,55.04 34.13,55.22 34.13,55.79 34.31,55.97 34.56,55.97 34.74,55.79 34.74,55.22 34.92,55.04 35.17,55.04 35.35,55.22 35.35,55.79 35.53,55.97 35.78,55.97 35.96,55.79 35.96,55.22 36.14,55.04 36.39,55.04 36.57,55.22 36.57,55.79 36.75,55.97 37,55.97 37.18,55.79 37.18,55.22 37.36,55.04 37.61,55.04 37.79,55.22 37.79,55.79 37.97,55.97 38.22,55.97 38.4,55.79 38.4,55.22 38.58,55.04 39.67,55.04 41.45,56.82 46.02,56.82 v5(51.23,62.02)
  BOTTOM w0.132: U83.1 51.51,63.45 51.23,63.17 v5(51.23,62.02)
MIO65: length 48.1
  TOP w0.132: JA1.D41 v1(19.76,57.35)
  L03_SIG w0.102: v1(19.76,57.35) 20.16,57.76 25.14,57.76 25.95,56.94 27.76,56.94 28.24,57.43 35.49,57.43 35.67,57.6 35.67,58.56 35.85,58.74 36.1,58.74 36.28,58.56 36.28,57.6 36.46,57.43 37.61,57.43 39.18,58.99 39.18,59.25 38.86,59.57 38.86,59.82 39.04,60 39.29,60 39.61,59.68 39.87,59.68 40.04,59.86 40.04,60.11 39.72,60.43 39.72,60.68 39.9,60.86 40.15,60.86 40.48,60.54 40.73,60.54 41.19,61.01 41.8,61.01 41.98,61.19 41.98,61.62 42.16,61.8 42.41,61.8 42.59,61.62 42.59,61.19 42.77,61.01 43.02,61.01 43.2,61.19 43.2,61.62 43.38,61.8 43.63,61.8 43.81,61.62 43.81,61.19 43.99,61.01 44.24,61.01 44.42,61.19 44.42,61.62 44.6,61.8 44.85,61.8 45.03,61.62 45.03,61.19 45.21,61.01 45.46,61.01 45.64,61.19 45.64,61.62 45.82,61.8 46.07,61.8 46.25,61.62 46.25,61.19 46.43,61.01 46.68,61.01 46.86,61.19 46.86,61.62 47.04,61.8 47.29,61.8 47.47,61.62 47.47,61.19 47.65,61.01 v5(52.9,61.01)
  BOTTOM w0.132: U83.31 53.28,61.38 v5(52.9,61.01)
